# KiCad board sgb_mbc5_1-4.kicad_pcb (continued)
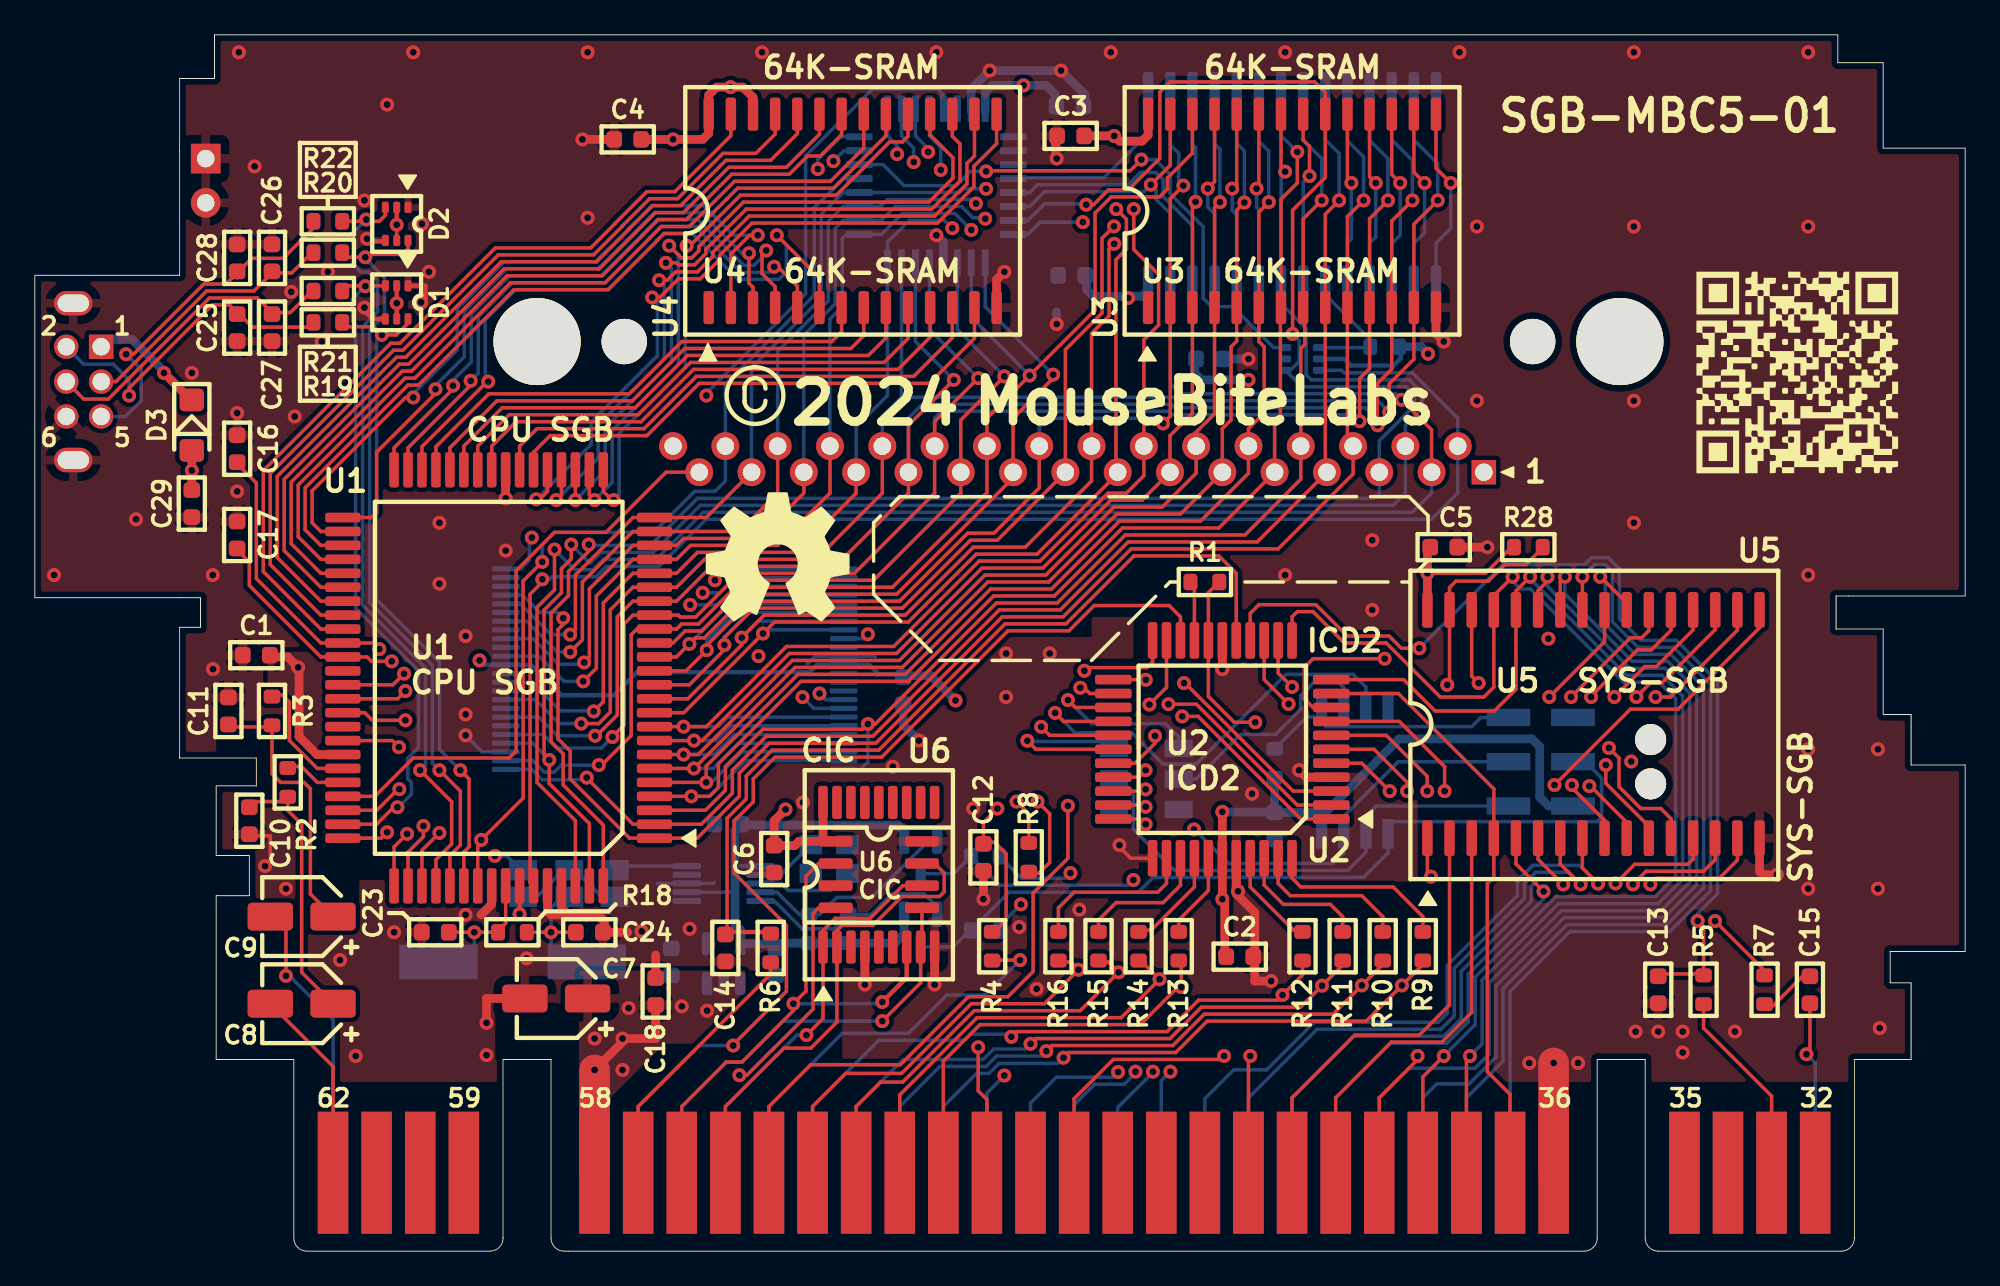
[diagram p0: board, top side]
## Nets (continued)
/GB domain/MA_{3}: U1.37 U4.7
/GB domain/MA_{4}: U1.38 U4.6
/GB domain/MA_{5}: U1.39 U4.5
/GB domain/MA_{6}: U1.40 U4.4
/GB domain/MA_{7}: U1.41 U4.3
/GB domain/MA_{8}: U1.48 U4.25
/GB domain/MA_{9}: U1.47 U4.24
/GB domain/MA_{10}: U1.44 U4.21
/GB domain/MA_{11}: U1.46 U4.23
/GB domain/MA_{12}: U1.42 U4.2
/GB domain/MD_{0}: U1.33 U4.11
/GB domain/MD_{1}: U1.31 U4.12
/GB domain/MD_{2}: U1.30 U4.13
/GB domain/MD_{3}: U1.29 U4.15
/GB domain/MD_{4}: U1.28 U4.16
/GB domain/MD_{5}: U1.27 U4.17
/GB domain/MD_{6}: U1.26 U4.18
/GB domain/MD_{7}: U1.25 U4.19
/GB domain/PHI: P1.2 U1.75 U10.6
/GB domain/~{MCS}: U1.43 U4.20
/GB domain/~{MRD}: U1.45 U4.22
/GB domain/~{MWR}: U1.49 U4.27
/GB.CLK: SJ1.2 U2.3
/GB.CP: U1.53 U2.31
/GB.CPL: U1.55 U2.29
/GB.LD0: C17.1 U1.51 U2.32
/GB.LD1: C16.1 U1.50 U2.33
/GB.P10: U1.67 U2.23
/GB.P11: U1.66 U2.24
/GB.P12: SW1.1 U1.65 U2.25
/GB.P13: U1.64 U2.26 U13.3
/GB.P14: D1.3 R21.1 U1.63 U2.27
/GB.P15: SW1.4 U1.62 U2.28
/GB.S: U1.57 U2.22
/GB.ST: U1.54 U2.30
/GB.~{RES}: P1.30 R8.2 U1.71 U8.13
/ICD2.MCK: R1.1 R7.2 U2.18
/ICD2.REFRESH: C13.1 R5.2 U2.15
/ICD2.SYSCK: C14.1 R6.2 U2.16
/ICD2.XO: R1.2 U2.19
/ICD2.~{GB_RES}: R8.1 U2.21
/ICD2.~{RD}: C12.1 R4.2 U2.2
/ICD.D_{0}: R9.2 U2.44
/ICD.D_{1}: R10.2 U2.43
/ICD.D_{2}: R11.2 U2.42
/ICD.D_{3}: R12.2 U2.41
/ICD.D_{4}: R13.2 U2.38
/ICD.D_{5}: R14.2 U2.37
/ICD.D_{6}: R15.2 U2.36
/ICD.D_{7}: R16.2 U2.35
/MCK_{AC}: C15.2 R7.1
/SNES domain//IRQ: CN2.18 U14.4
/SNES domain/CIC.~{RESET_OUT}: U6.10
/SNES domain/CIC_{0}: CN2.24 U6.1 U14.6
/SNES domain/CIC_{1}: CN2.55 U6.2 U14.7
/SNES domain/CIC_{2}: CN2.25 U6.8 U14.5
/SNES domain/CIC_{3}: CN2.56 U6.7 U14.2
/SNES domain/SNES.A_{0}: CN2.17 U2.5 U5.12
/SNES domain/SNES.A_{1}: CN2.16 U2.6 U5.11
/SNES domain/SNES.A_{2}: CN2.15 U2.7 U5.10
/SNES domain/SNES.A_{3}: CN2.14 U2.8 U5.9
/SNES domain/SNES.A_{4}: CN2.13 U5.8
/SNES domain/SNES.A_{5}: CN2.12 U5.7
/SNES domain/SNES.A_{6}: CN2.11 U5.6
/SNES domain/SNES.A_{7}: CN2.10 U5.5
/SNES domain/SNES.A_{8}: CN2.9 U5.27
/SNES domain/SNES.A_{9}: CN2.8 U5.26
/SNES domain/SNES.A_{10}: CN2.7 U5.23
/SNES domain/SNES.A_{11}: CN2.6 U2.9 U5.25
/SNES domain/SNES.A_{12}: CN2.37 U2.10 U5.4
/SNES domain/SNES.A_{13}: CN2.38 U2.11 U5.28
/SNES domain/SNES.A_{14}: CN2.39 U2.12 U5.29
/SNES domain/SNES.A_{15}: CN2.40 U2.13
/SNES domain/SNES.A_{16}: CN2.41 U5.3
/SNES domain/SNES.A_{17}: CN2.42 U5.2
/SNES domain/SNES.A_{18}: CN2.43 U5.30
/SNES domain/SNES.A_{22}: CN2.47 U2.14
/SNES domain/SNES.D_{0}: CN2.19 R9.1 U5.13
/SNES domain/SNES.D_{1}: CN2.20 R10.1 U5.14
/SNES domain/SNES.D_{2}: CN2.21 R11.1 U5.15
/SNES domain/SNES.D_{3}: CN2.22 R12.1 U5.17
/SNES domain/SNES.D_{4}: CN2.50 R13.1 U5.18
/SNES domain/SNES.D_{5}: CN2.51 R14.1 U5.19
/SNES domain/SNES.D_{6}: CN2.52 R15.1 U5.20
/SNES domain/SNES.D_{7}: CN2.53 R16.1 U5.21
/SNES domain/SNES.MCK: C15.1 CN2.1
/SNES domain/SNES.REFRESH: CN2.33 R5.1
/SNES domain/SNES.SYSCK: CN2.57 R6.1
/SNES domain/SNES.~{RD}: CN2.23 R4.1 U5.24
/SNES domain/SNES.~{ROMSEL}: CN2.49 U5.22
/SNES domain/SNES.~{WR}: CN2.54 U2.1
/SNES.~{RESET}: CN2.26 U2.20
/SO1: R2.2 U1.60
/SO2: R3.2 U1.59
Net-(D1A-K3A4): D1.6 R19.1 U1.70
Net-(D2A-K3A4): D2.6 R20.1 U1.69
Net-(D2B-K1A2): D2.3 R22.1 U1.68
Net-(D3-K): D3.1 P2.1
Net-(P2A-CLK): C28.1 P2.5 R22.2
Net-(P2A-IN): C26.1 P2.3 R20.2
Net-(P2A-OUT): C25.1 P2.2 R19.2
Net-(P2A-SD): C27.1 P2.4 R21.2
Net-(SJ2-B): C24.1 R18.2 SJ2.2 X1.2
Net-(U5-NC): R28.1 U5.1 U5.31

Pads without a net: CN2 2 3 4 28 29 30 32 34 35 44 45 46 48 59 60 61; SW1 3 6; U1 52 56; U3 1; U4 1; U6 3 5 6 11 12 13 14 15 16 17; U7 10 13 14 15 30 32 34 36 39 41 43; U8 22 25; U11 4; U12 6 9; U14 3; X2 2 4

## Via types
v1: diameter 0.8, hole 0.4, Top to Bottom, 359 vias

## Routing (per net, layer and track width the routed paths; a pad name or vN(x,y) marks a point on that pad's centre or on a via; arc(x,y) is an arc through that point)
+3.3V: length 32.6
  Bottom w0.2: U12.7 40.1,20.6 40.15,20.65 ; U12.1 40.15,22.1
  Bottom w0.5: 46.6,17.67 49.33,17.67 49.85,18.2 Q2.1 ; 46.8,17.67 R24.1 42.8,17.67 C32.1 42.24,17.64 U11.5 40.45,18.45 40.15,18.75 40.15,24.12 40.48,24.45 49.5,24.45 49.85,24.1 Q1.1
+5V: length 166.5
  Top w0.2: D2.5 v1(20.75,58.9) ; v1(79.86,38.9) 83.19,38.9 84.74,40.45 ; 68.1,17.04 68.24,16.9
  Top w0.25: v1(20.75,58.9) D2.2 ; D1.5 v1(20.75,54.4) D1.2
  Top w0.5: 68.1,17.04 68.24,17.17 68.24,20.06 v1(68.1,20.2) U2.39 v1(68.1,25.21) ; 41.19,65.25 41.19,66.22 40.6,66.8 39.1,66.8 38.64,66.34 U4.28 38.64,64.14 38.3,63.8 34.86,63.8 ; U14.1 45.92,23.5 ; U14.1 45.2,23.52 U6.18 ; U14.1 43.82,23.52 43.58,23.27 C6.1 42.4,24.7 v1(43.05,25.35) ; 9,43.56 D3.2 ; v1(32.1,10.4) 33.9,12.2 35.6,12.2 35.6,14.04 ; 13.56,34.1 14.5,34.1 v1(15.1,33.5) 15.15,33.45 15.15,29.53 16.18,28.5 U1.58 ; 60.26,64 v1(61.9,64) 62.2,63.7 63.5,63.7 63.85,64.04 U3.28 ; U5.32 79.86,40.32 79.94,40.4
  Top w1.75: CN2.27 v1(32.1,10.4)
  Bottom w0.2: v1(59.39,21.7) 59.09,21.4 56.58,21.4 R26.1 ; 48.2,34.1 48.15,34.15 U7.11 44.75,34.15 44.3,33.7 ; v1(56.55,19.9) 55.33,18.67 R25.1
  Bottom w0.25: 48.3,33.1 49.73,33.1 49.8,33.02 ; 48.3,33.1 48.25,33.1 ; 48.3,33.1 48.3,33.2 47.85,33.65 44.85,33.65 44.42,33.22 34.53,33.22 33.2,31.9 30.2,31.9 28.45,33.65 25.75,33.65 v1(25.5,33.9) ; 78.33,51.9 78.33,51.22 77.92,50.83 75.48,50.83 75.1,51.2 U10.5
  Bottom w0.5: v1(52.8,31.6) 51.38,33.02 49.8,33.02 ; C33.1 71.08,25.2 68.11,25.2 v1(68.1,25.21) ; C33.1 73.58,25.17 73.8,24.95 ; C33.1 R27.1 ; v1(79.9,51.5) 79.5,51.9 78.33,51.9 ; J1.2 86.8,25.55 86.3,26.05 86.3,28.95 85.85,29.4 78.24,29.4 73.8,24.95 ; 73.8,24.95 U13.8 ; 63.84,55.84 63.84,55.14 63.5,54.8 60.7,54.8 60.33,55.17 60.33,56 ; 66.5,51.2 66.5,50.4 66.9,50 v1(69.6,50) ; 58.5,65.7 58.5,66.4 58,66.9 54.9,66.9 54.5,66.5 54.5,65.4
  Bottom w1.75: CN2.27 v1(32.1,10.4)
  vias: v1(9,44.8) v1(32.1,12.2) v1(33.7,12.2) v1(33.7,10.4) v1(34.05,13.95) v1(36.6,63.8) v1(37.1,14.05) v1(38.55,13.8) v1(39.9,66.8) v1(41.5,34.15) v1(56.7,66.9) v1(62.7,54.7)
/GB domain/VIN: length 34.2
  Top w0.2: U1.61 19.5,26.1 21.7,28.3 27.2,28.3 27.6,28.7 27.6,39.05 29.8,41.25 32.75,41.25 36.2,44.7 P1.31
GND: length 93.1
  Top w0.2: v1(62.2,23.3) 62.2,23.2 62.85,22.55 U2.34 ; v1(13.2,22.1) 13.5,22.4 13.5,23.84 12.3,23.84
  Top w0.25: D2.4 20.05,57.95 19.4,57.95 19.25,58.1 ; D1.4 19.35,53.5 18.9,53.95 v1(18.9,54.15) ; v1(22.15,54.45) 22.4,54.7 22.4,55.4 D1.1
  Top w0.5: 30.6,19.3 30.2,19.7 U1.77 ; 30.6,19.3 32.3,19.3 32.66,18.94 32.66,18.3 34,18.3 ; 30.6,19.3 29.6,19.3 29.4,19.5 U1.76 ; C7.2 25.9,14.5 v1(25.9,13.1) ; v1(72.5,27.6) 72.9,27.2 U2.4 ; 35.6,15.76 35.6,17 ; v1(99.9,21.6) 99.1,21.6 98.91,21.79 U5.16 ; U1.72 26.2,19.92 25.58,19.3 ; U3.14 80.36,52.64 v1(80.8,52.2) ; v1(68.1,33.4) U2.17 ; U1.32 v1(27,43.2) ; v1(70.9,15.5) 69.96,15.5 69.96,19.44 68.9,20.5 U2.40 68.9,20.75 v1(69,20.65) ; U6.9 v1(51.6,15.3) ; 33.14,63.8 v1(31.4,63.8) ; 58.54,64 58.54,62.76 v1(58.6,62.7) ; 54.4,21.74 v1(54.4,20.2) ; v1(47.6,15.3) U6.4 ; 55.16,54.15 55.16,55.75 v1(55.6,56.2) ; 81.66,40.4 v1(83.3,40.4)
  Top w1.75: CN2.5 v1(87.1,10.8)
  Bottom w0.2: 38.95,21.15 38.9,21.1 U12.8 35.7,21.1 ; U7.27 25.65,28.65 v1(24.7,29.6)
  Bottom w0.5: 53.7,65.4 53.7,66.69 v1(54.76,67.75) v1(58.85,67.75) 60.23,66.38 60.23,65.7 ; 52.1,56.9 52.1,57.9 v1(51.7,58.3) ; 58.6,53.9 v1(58.6,53.2) ; v1(50.7,29.3) 49.8,30.2 49.8,31.3 ; v1(69.6,51.2) 68.23,51.2
  Bottom w1.75: CN2.5 v1(87.1,10.8)
  vias: v1(1.1,38.8) v1(5.8,42) v1(9,50.4) v1(10.2,38.8) v1(10.22,33.4) v1(11.6,48.1) v1(11.6,43.6) v1(11.7,68.8) v1(12.6,62.25) v1(14.4,20.8) v1(14.7,55.05) v1(14.9,47.9) v1(16.45,52.2) v1(16.8,56.2) v1(17.5,16.7) v1(18.4,11.2) v1(18.9,60.3) v1(19.05,58.1) v1(20.2,65.8) v1(20.6,18.3) v1(21.7,68.8) v1(22.2,58.95) v1(22.6,56.2) v1(23.2,41.8) v1(23.2,38.3) v1(24.7,35.3) v1(24.7,30.8) v1(24.7,19.3) v1(25.9,11.25) v1(27,40.2) v1(28.2,16.8) v1(31.7,68.8) v1(31.7,59.3) v1(34.8,18.35) v1(37.55,18.5) v1(41.7,68.8) v1(44.05,25.75) v1(49.2,27.8) v1(51.7,68.8) v1(53.81,25.4) v1(55.7,34.3) v1(55.7,31.8) v1(56.45,18.6) v1(57.45,15.05) v1(58.2,34.3) v1(59.9,19.6) v1(61.7,68.8) v1(69.8,26.25) v1(71.7,68.8) v1(71.7,38.8) v1(76.7,40.8) v1(76.7,36.8) v1(81.7,68.8) v1(82.7,58.8) v1(82.7,48.8) v1(85.7,10.8) v1(86.8,35.15) v1(88.5,10.8) v1(91.55,28.1) v1(91.7,68.8) v1(91.7,58.8) v1(91.7,48.8) v1(91.7,41.8) v1(91.8,12.6) v1(93.1,12.6) v1(94.5,12.6) v1(94.5,11.4) v1(97.5,12.6) v1(101.7,68.8) v1(101.7,58.8) v1(101.7,38.8) v1(101.7,28.8) v1(101.7,20.8) v1(105.7,28.8) v1(105.7,20.8) v1(105.8,12.8)
/AUDIO_FILT_{L}: length 15.8
  Top w0.2: 13.73,29.96 13.6,30.09 ; 13.6,30.09 13.6,27.4 14.1,26.9 15.43,26.9 15.8,26.53 15.8,20.5 C9.1 ; 13.6,30.09 11.15,30.09 11.1,30.14
/AUDIO_FILT_{R}: length 15.8
  Top w0.2: 14.5,25.99 14.31,25.8 12.54,25.8 12.3,25.56 12.5,25.76 ; 14.5,25.99 14.69,25.8 ; 14.5,25.99 14.5,25.3 15.3,24.5 15.3,16 C8.1
/AUDIO_{L}: length 16.8
  Top w0.2: C9.2 14.4,19.2 v1(14.4,15.8)
  Bottom w0.2: CN2.31 17.1,13.3 14.6,15.8 v1(14.4,15.8)
/AUDIO_{R}: length 11.2
  Top w0.2: CN2.62 17.1,10.6 C8.2
/GB domain/CLK_IN: length 9.1
  Top w0.2: v1(27.8,19.35) 27.8,19.35 U1.74
  Bottom w0.2: 33.2,20.45 32.4,20.45 31.1,21.75 30.2,21.75 28.9,20.45 28,20.45 27.8,20.25 v1(27.8,19.35)
/GB domain/CLK_OUT: length 9.3
  Top w0.2: 23.83,18.3 v1(25.2,18.3) 26.48,18.3 27,18.83 U1.73
  Bottom w0.2: X1.1 24.8,16.6 25.2,17 v1(25.2,18.3) ; 23.15,16.5 23.4,16.5
/GB domain/Clock Selection/PB0: length 47.5
  Bottom w0.2: Q2.3 52.66,17.46 53.6,18.4 R25.2 55.88,20.6 63.29,20.6 64.14,21.45 76.2,21.45 77.61,22.86 U13.5 77.61,24.65 89.6,24.65 89.85,24.9 89.85,27.15 88.91,28.09 J1.4
/GB domain/Clock Selection/PB1: length 28.8
  Bottom w0.2: J1.1 76.92,25.55 76.35,24.97 76.35,24.5 76.33,24.48 U13.6 76.33,22.88 75.3,21.85 65.36,21.85 63,24.21 63,26.3 62.2,27.1 SW1.5
/GB domain/Clock Selection/PB2: length 40.6
  In2.Cu w0.2: v1(66.48,24.2) 63.58,21.3 v1(63,21.3)
  Bottom w0.2: v1(66.48,24.2) 66.5,24.2 68.45,22.25 74.45,22.25 75.07,22.86 U13.7 75.07,24.97 78.19,28.09 J1.3 ; 53.67,22.62 R26.2 ; R26.2 55.33,21 62.7,21 v1(63,21.3) ; R26.2 52.69,21.66 Q1.3
/GB domain/Clock Selection/PB3: length 13.3
  Bottom w0.2: 65.75,27.1 66.6,27.1 69.15,29.65 71.15,29.65 72.6,31.1 72.6,31.89 73.36,32.65 74.75,32.65 75.07,32.33 U13.2
/GB domain/Clock Selection/RST: length 16
  Bottom w0.2: R27.2 72.92,30.65 73.8,30.65 U13.1 73.8,30.36 74.05,30.1 82.4,30.1 82.93,30.63 J1.5
/GB domain/Clock Selection/SCL_3V: length 12.4
  Bottom w0.2: U12.4 42.56,20.6 43.84,19.33 R24.2 45.02,19.33 46,20.3 48,20.3 51.24,23.54 Q1.2
/GB domain/Clock Selection/SDA_3V: length 12.4
  Bottom w0.2: U12.5 42.4,20.1 44,18.5 45.83,18.5 R23.2 47.98,19.33 49.15,20.5 51,20.5 51.75,19.75 Q2.2
/GB domain/Clock Selection/SI_CLK: length 4.3
  Bottom w0.2: 33.2,21.75 33.55,22.1 U12.10
/GB domain/Clock Selection/XA: length 3.7
  Bottom w0.2: U12.2 42.77,21.6 X2.3 44.55,23.33 ; 44.55,23.62 44.55,23.6
/GB domain/Clock Selection/XB: length 5.6
  Bottom w0.2: U12.3 42.8,21.1 43.2,20.7 45.63,20.7 X2.1 46.65,21.62
/GB domain/GB Cart/GB.AA_{13}: length 15.1
  Bottom w0.2: 66.39,56.5 66.39,58.84 64.7,60.53 64.7,61.5 64.3,61.9 63.4,61.9 62.7,61.2 57.5,61.2 57.05,60.75 55.95,60.75
/GB domain/GB Cart/GB.AA_{14}: length 11.5
  Bottom w0.2: 63.84,66.63 63.84,64.14 61.3,61.6 56,61.6 55.95,61.55
/GB domain/GB Cart/GB.RA_{14}: length 45.8
  In2.Cu w0.2: v1(45.8,62.55) 45.5,62.85 44.5,62.85 43.75,62.1 41.68,62.1 38.48,58.9 38.48,52.51 33.5,47.53 33.5,44.64 37.6,40.54 37.6,37.11 v1(37.58,37.09)
  Bottom w0.2: 47.45,63.15 46.4,63.15 v1(45.8,62.55) ; v1(37.58,37.09) 37.59,37.08 39.14,37.08 40.21,38.15 U7.3
/GB domain/GB Cart/GB.RA_{15}: length 44.3
  In2.Cu w0.2: v1(44.9,62.1) 44.5,61.7 41.84,61.7 38.88,58.73 38.88,52.35 33.9,47.37 33.9,44.8 38.3,40.4 v1(38.3,37.78)
  Bottom w0.2: v1(44.9,62.1) 44.9,62.65 46.2,63.95 47.45,63.95 ; U7.2 40.14,38.65 39.27,37.78 v1(38.3,37.78)
/GB domain/GB Cart/GB.RA_{16}: length 46.7
  In2.Cu w0.2: v1(39,38.5) 39,40.27 34.3,44.97 34.3,47.2 39.28,52.18 39.28,58.57 42.01,61.3 43.53,61.3 43.84,61 47.66,61 49.45,62.78 v1(49.45,62.96)
  Bottom w0.2: v1(39,38.5) 39.65,39.15 U7.1 ; 48.9,65.4 48.9,64 49.45,63.45 v1(49.45,62.96)
/GB domain/GB Cart/GB.RA_{17}: length 45.9
  In2.Cu w0.2: v1(28.5,40.95) 28.85,40.95 30.3,42.4 33.49,42.4 33.9,42.81 33.9,43.67 33.1,44.47 33.1,47.7 38.08,52.68 38.08,59.07 41.51,62.5 43.58,62.5 44.33,63.25 48.75,63.25 49.16,63.66 49.74,63.66 50.4,63 v1(50.4,62.5)
  Bottom w0.2: 49.7,65.4 49.7,64 50.4,63.3 v1(50.4,62.5) ; v1(28.5,40.95) 28.35,40.8 28.35,39.65 27.85,39.15 U7.48
/GB domain/GB Cart/GB.RA_{18}: length 52.5
  In2.Cu w0.2: v1(51.23,63.08) 51.23,62.13 50.87,61.77 49,61.77 47.83,60.6 43.67,60.6 43.37,60.9 42.18,60.9 39.68,58.4 39.68,52.02 34.7,47.04 34.7,45.13 44.58,35.26 44.58,32.56 44.02,32.01 v1(44.02,31.79)
  Bottom w0.2: v1(44.02,31.79) 44.67,31.15 U7.17 ; v1(51.23,63.08) 51.23,63.27 50.5,64 50.5,65.4
/GB domain/GB Cart/GB.RA_{19}: length 51.3
  In2.Cu w0.2: v1(45,32) 44.98,32.02 44.98,35.43 41.34,39.06 35.1,45.3 35.1,46.87 40.08,51.85 40.08,58.24 42.34,60.5 43.2,60.5 43.5,60.2 48,60.2 49.17,61.37 51.27,61.37 v1(51.95,62.05)
  Bottom w0.2: v1(51.95,62.05) 51.95,63.35 51.3,64 51.3,65.4 ; U7.16 45.35,31.65 v1(45,32)
/GB domain/GB Cart/GB.RA_{20}: length 49.9
  In2.Cu w0.2: v1(47.77,35.4) 45.57,35.4 35.5,45.47 35.5,46.71 37.89,49.1 v1(38.51,49.1)
  Bottom w0.2: v1(47.77,35.4) 47.52,35.15 U7.9 ; 52.1,65.4 52.1,66.35 51.75,66.7 48.05,66.7 44.2,62.85 44.2,54.93 38.51,49.24 v1(38.51,49.1)
/GB domain/GB Cart/~{CS}_{MBC}: length 32.9
  Top w0.2: v1(54.55,61.97) 54.59,62 62.82,62 v1(63.46,62.64)
  Bottom w0.2: v1(63.46,62.64) 64.26,62.64 65.1,61.8 65.1,60.69 67,58.79 67,54.69 67.49,54.2 68.7,54.2 71.05,51.85 U10.3 ; 47.45,62.35 48.65,62.35 49.85,61.15 52.85,61.15 53.67,61.97 v1(54.55,61.97)
/GB domain/GB Cart/~{CS}_{RAM}: length 8.9
  Bottom w0.2: U10.4 76.25,51.85 76.5,51.6 76.5,52.4 74.01,54.89 74.01,56.5
/GB domain/GB.A_{0}: length 92.2
  Top w0.2: v1(30.3,36.33) 30.3,35.97 30,35.67 30,29.4 30.7,28.7 30.7,27.1 34.1,23.7 U1.1 37.99,23.7 40.4,26.11 40.4,27.43 42.12,29.15 48.23,29.15 55.48,36.4 58.97,36.4 62.87,40.3 71.3,40.3 75.6,44.6 P1.6 75.27,46.52 U3.10 75.27,59.38 v1(76.2,60.3)
  Bottom w0.2: v1(76.2,60.3) 76.2,62.8 75.27,63.73 75.27,66.63 ; U7.45 27.97,37.65 28.96,36.66 29.97,36.66 v1(30.3,36.33)
/GB domain/GB.A_{1}: length 80.3
  Top w0.2: v1(74.8,60.3) 74.01,59.5 U3.9 74.01,44.8 P1.7 70.1,40.7 62.7,40.7 58.8,36.8 55.31,36.8 48.06,29.55 41.95,29.55 40,27.6 40,26.28 38.22,24.5 U1.2 34.3,24.5 31.65,27.15 v1(31.65,27.18)
  Bottom w0.2: U7.25 28.48,27.65 29.08,27.05 31.53,27.05 v1(31.65,27.18) ; 74,66.63 74,63.8 74.8,63 v1(74.8,60.3)
/GB domain/GB.A_{2}: length 72.8
  Top w0.2: U1.3 38.46,25.3 39.6,26.44 39.6,27.8 41.75,29.95 47.47,29.95 v1(47.77,30.25) 48.2,30.25 55.15,37.2 58.64,37.2 62.54,41.1 69.4,41.1 72.6,44.3 P1.8 72.6,51.8 72.83,52.03 72.83,54.05 U3.8 72.73,59.23 v1(73.8,60.3)
  Bottom w0.2: U7.24 47.35,27.65 47.77,28.07 v1(47.77,30.25) ; v1(73.8,60.3) 73.8,62.7 72.73,63.77 72.73,66.63
/GB domain/GB.A_{3}: length 76.5
  Top w0.2: v1(72.4,63.08) 72.4,61.3 71.46,60.36 71.46,54.15 71.43,54.12 71.43,47.93 71.1,47.6 P1.9 67.9,41.5 62.37,41.5 58.47,37.6 54.98,37.6 50.08,32.7 43.93,32.7 39.2,27.97 39.2,26.61 38.69,26.1 U1.4
  Bottom w0.2: U7.23 40.74,28.15 38.69,26.1 v1(37.65,26.1) ; v1(72.4,63.08) 71.46,64.02 71.46,66.63
/GB domain/GB.A_{4}: length 73.5
  Top w0.2: U1.5 v1(38.5,26.9) 38.5,27.83 43.77,33.1 49.92,33.1 54.82,38 58.31,38 62.21,41.9 66.86,41.9 69.6,44.64 P1.10 69.6,47.2 70.5,48.1 70.5,51.9 70.2,52.2 U3.6 70.2,59.63 v1(70.77,60.2)
  Bottom w0.2: v1(38.5,26.9) 38.8,26.9 40.55,28.65 46.4,28.65 ; 70.19,66.63 70.19,63.71 70.77,63.13 v1(70.77,60.2)
/GB domain/GB.A_{5}: length 71.4
  Top w0.2: v1(69.36,60.18) 68.92,59.74 U3.5 68.92,52.22 68.6,51.9 68.6,47.7 68.1,47.2 P1.11 65.7,42.3 62.04,42.3 58.14,38.4 54.65,38.4 49.75,33.5 43.6,33.5 v1(37.8,27.7) U1.6
  Bottom w0.2: 68.92,66.63 68.92,63.58 69.36,63.13 v1(69.36,60.18) ; 46.4,29.15 40.35,29.15 38.9,27.7 v1(37.8,27.7)
/GB domain/GB.A_{6}: length 70.1
  Top w0.2: U1.7 v1(37.2,28.5) 38.03,28.5 43.43,33.9 49.58,33.9 54.48,38.8 57.97,38.8 61.87,42.7 64.66,42.7 66.6,44.64 P1.12 66.6,47 67.66,48.05 U3.4 67.66,59.89 v1(67.96,60.2)
  Bottom w0.2: v1(37.2,28.5) 38.97,28.5 40.12,29.65 46.4,29.65 ; v1(67.96,60.2) 67.96,63.23 67.65,63.55 67.65,66.63
/GB domain/GB.A_{7}: length 67.5
  Top w0.2: U1.8 37.8,29.3 v1(37.8,29.3) 38.27,29.3 43.27,34.3 49.42,34.3 54.32,39.2 57.81,39.2 61.71,43.1 63.5,43.1 P1.13 65.1,46.8 66.39,48.08 U3.3 66.39,60.04 v1(66.57,60.22)
  Bottom w0.2: 66.38,66.63 66.38,63.52 66.57,63.33 v1(66.57,60.22) ; 46.4,30.15 39.9,30.15 39.05,29.3 v1(37.8,29.3)
/GB domain/GB.A_{8}: length 74.4
  Top w0.2: U3.25 67.66,61.37 v1(67.27,60.98) ; v1(63.02,59.8) 63.02,57.48 64.45,56.05 64.45,53.14 63.6,52.3 P1.14 63.6,44.5 62.6,43.5 61.54,43.5 57.64,39.6 54.15,39.6 49.25,34.7 43.1,34.7 38.5,30.1 v1(37.2,30.1) U1.9
  In2.Cu w0.2: v1(63.02,59.8) 63.32,59.5 66.85,59.5 67.27,59.91 v1(67.27,60.98)
  Bottom w0.2: 46.4,30.65 39.74,30.65 39.19,30.1 v1(37.2,30.1) ; v1(67.27,60.98) 67.27,59.91 67.66,59.52 67.66,56.5
/GB domain/GB.A_{9}: length 70
  Top w0.2: U1.10 37.21,30.9 v1(41.76,35.44) 42.41,36.1 50.09,36.1 53.99,40 57.48,40 62.1,44.62 P1.15 62,44.8 62,56.9 62.6,57.5 62.6,59.22 v1(62.02,59.8) ; v1(68.67,60.97) 68.92,61.23 U3.24
  In2.Cu w0.2: v1(68.67,60.97) 68.67,59.91 67.85,59.1 62.59,59.1 62.02,59.67 v1(62.02,59.8)
  Bottom w0.2: 68.93,56.5 68.93,59.47 68.67,59.73 v1(68.67,60.97) ; v1(41.76,35.44) 41.96,35.65 U7.8
/GB domain/GB.A_{10}: length 72.8
  Top w0.2: v1(73.1,61.7) 73.1,63.4 72.73,63.77 U3.21 ; U1.11 37.45,31.7 40.54,34.79 v1(40.54,35.21) 41.82,36.5 49.92,36.5 53.82,40.4 56.8,40.4 60.6,44.2 P1.16 60.6,52.67 61.6,53.67 61.6,57.51 v1(61.9,57.81)
  In2.Cu w0.2: v1(61.9,57.81) 61.9,57.83 62.37,58.3 69.85,58.3 73.1,61.55 v1(73.1,61.7)
  Bottom w0.2: 72.74,56.5 72.74,61.34 v1(73.1,61.7) ; v1(40.54,35.21) 41.47,36.15 U7.7
/GB domain/GB.A_{11}: length 70.8
  Top w0.2: v1(61.89,58.81) 61.2,58.12 61.2,53.83 59.1,51.73 P1.17 55.2,40.8 53.66,40.8 49.76,36.9 41.23,36.9 39.55,35.21 v1(39.55,34.79) 39.55,34.51 37.53,32.5 U1.12 ; v1(70.07,60.97) 70.2,61.1 U3.23
  In2.Cu w0.2: v1(61.89,58.81) 62,58.7 68.88,58.7 70.07,59.89 v1(70.07,60.97)
  Bottom w0.2: 70.2,56.5 70.2,59.78 70.07,59.91 v1(70.07,60.97) ; U7.6 40.95,36.65 39.55,35.25 v1(39.55,34.79)
/GB domain/GB.A_{12}: length 77.8
  Top w0.2: v1(65.86,61.15) 65.11,60.4 U3.2 65.11,47.91 v1(64.7,47.5) ; P1.18 57.6,43.8 55,41.2 53.49,41.2 49.59,37.3 41.07,37.3 38.56,34.79 38.53,34.79 v1(38.53,34.49) 37.34,33.3 U1.13
  In2.Cu w0.2: v1(60.1,59.05) 60.28,59.05 61.73,60.5 65.1,60.5 65.75,61.15 v1(65.86,61.15)
  Bottom w0.2: 55.95,58.35 56.95,58.35 57.65,59.05 v1(60.1,59.05) ; v1(38.53,34.49) 38.53,35.03 40.65,37.15 U7.5 ; v1(65.86,61.15) 65.6,61.41 65.6,63 65.11,63.49 65.11,66.63 ; v1(64.7,47.5) 64.4,47.8 58.1,47.8 57.6,47.3 P1.18
/GB domain/GB.A_{13}: length 49.9
  Top w0.2: v1(58.4,50.3) 58.4,50.1 56.1,47.8 P1.19 56.1,44.38 49.42,37.7 40.9,37.7 38.39,35.19 37.88,35.19 v1(37.54,34.85) 36.79,34.1 U1.14
  Bottom w0.2: v1(58.4,50.3) 54.5,54.2 54.5,56.9 ; U7.4 40.34,37.65 v1(37.54,34.85)
/GB domain/GB.A_{14}: length 58.9
  Top w0.2: U1.15 36.6,34.9 37.29,35.59 38.23,35.59 40.74,38.1 49.18,38.1 54.6,43.52 P1.20 54.6,47.8 v1(57.05,50.25) 60.8,54 60.8,59.57 61.73,60.5 64.5,60.5 64.95,60.95 64.95,61.58 66.39,63.02 U3.26
  Bottom w0.2: v1(57.05,50.25) 53.7,53.6 53.7,56.9
/GB domain/GB.A_{15}: length 51.9
  Top w0.2: v1(55.6,50.2) 53.1,47.7 P1.21 53.1,43.5 48.1,38.5 40.57,38.5 38.06,35.99 37.09,35.99 36.8,35.7 U1.16 34.53,35.7 34.2,35.37 34.2,29.59 32.51,27.9 v1(32.34,27.9)
  Bottom w0.2: v1(32.34,27.9) 30.2,27.9 29.79,27.49 29.21,27.49 28.55,28.15 U7.26 ; 52.9,56.9 52.9,52.9 v1(55.6,50.2)
/GB domain/GB.D_{0}: length 96.6
  Top w0.2: v1(54.1,50.1) 51.6,47.6 P1.22 51.6,43.5 47,38.9 40.41,38.9 37.9,36.39 37.01,36.39 36.9,36.5 U1.17 34.3,36.5 33.8,36 33.8,30.2 33.13,29.53 v1(33.13,29.51) ; v1(77.6,60.3) 76.55,59.24 U3.11 76.55,50.64 75.98,50.08 v1(75.98,47.63)
  Bottom w0.2: 76.54,66.63 76.54,63.76 77.6,62.7 v1(77.6,60.3) ; v1(54.1,50.1) 51.3,52.9 51.3,56.9 ; U7.29 29.15,29.65 29.92,28.88 32.5,28.88 v1(33.13,29.51) ; v1(75.98,47.63) 75.6,48 65.2,48 65,48.2 52,48.2 51.6,47.8 P1.22
/GB domain/GB.D_{1}: length 99.6
  Top w0.2: v1(32.13,29.58) 32.21,29.58 33.4,30.77 33.4,36.4 34.3,37.3 U1.18 36.8,37.3 38.8,39.3 45.9,39.3 50.1,43.5 P1.23 50.1,47.4 v1(52.7,50) ; v1(79,60.3) 77.82,59.11 U3.12 77.82,50.61 76.98,49.78 76.98,47.42 v1(77.01,47.39)
  Bottom w0.2: P1.23 50.1,47.8 50.9,48.6 65.17,48.6 65.37,48.4 76.3,48.4 77.01,47.69 v1(77.01,47.39) ; v1(32.13,29.58) 29.97,29.58 28.9,30.65 U7.31 ; 77.81,66.63 77.81,63.79 79,62.6 v1(79,60.3) ; 50.5,56.9 50.5,52.2 v1(52.7,50)
/GB domain/GB.D_{2}: length 93.5
  Top w0.2: v1(77.68,48.14) 77.68,49.78 79.08,51.19 79.08,58.93 v1(80.46,60.3) ; v1(31.34,30.28) 31.34,30.27 32.34,30.27 33,30.94 33,36.8 34.3,38.1 U1.19 36.8,38.1 38.4,39.7 44.8,39.7 48.6,43.5 P1.24
  Bottom w0.2: 49.7,49.1 49.8,49 65.33,49 65.53,48.8 77.02,48.8 v1(77.68,48.14) ; 49.7,49.1 49.7,56.9 ; 49.7,49.1 49.7,49 48.6,47.9 P1.24 ; v1(31.34,30.28) 30.07,30.28 28.7,31.65 27.03,31.65 ; v1(80.46,60.3) 80.46,62.39 79.08,63.77 79.08,66.63
/GB domain/GB.D_{3}: length 91.3
  Top w0.2: v1(32.05,30.97) 32.6,31.52 32.6,37.2 34.3,38.9 U1.20 36.8,38.9 38,40.1 43.7,40.1 47.1,43.5 P1.25 ; v1(81.2,61.3) 80.36,62.14 U3.15
  In2.Cu w0.2: v1(52.61,58.71) 53.42,57.9 57.84,57.9 60.23,55.51 62.87,55.51 63.66,56.3 77.44,56.3 81.2,60.06 v1(81.2,61.3)
  Bottom w0.2: P1.25 47.1,47.3 48.9,49.1 48.9,57.9 50.15,59.15 52.17,59.15 v1(52.61,58.71) ; v1(81.2,61.3) 81.2,58.7 80.36,57.86 80.36,56.5 ; U7.35 28.5,32.65 30.15,31 32.03,31 v1(32.05,30.97)
/GB domain/GB.D_{4}: length 88.7
  Top w0.2: v1(79.7,61.3) 79.08,61.91 79.08,65.25 ; P1.26 45.6,43.5 42.6,40.5 37.6,40.5 36.8,39.7 U1.21 34.3,39.7 32.2,37.6 32.2,33.45 v1(31.45,32.7)
  In2.Cu w0.2: v1(79.7,61.3) 79.7,60.01 76.39,56.7 63.5,56.7 62.71,55.91 60.4,55.91 58.01,58.3 54.01,58.3 v1(53.7,58.61)
  Bottom w0.2: 27.03,34.15 28.9,34.15 30.35,32.7 v1(31.45,32.7) ; v1(79.7,61.3) 79.7,58.45 79.09,57.84 79.09,56.5 ; v1(53.7,58.61) 52.76,59.55 49.75,59.55 48.55,58.35 46.55,58.35 46.3,58.1 46.3,54.2 45.6,53.5 P1.26
/GB domain/GB.D_{5}: length 86.4
  Top w0.2: P1.27 44.1,43.5 41.5,40.9 37.2,40.9 36.8,40.5 U1.22 34.3,40.5 31.8,38 31.8,34.08 v1(31.5,33.78) ; U3.17 77.82,61.78 v1(78.3,61.3)
  In2.Cu w0.2: v1(54.5,59.25) 55.05,58.7 58.17,58.7 60.57,56.31 62.54,56.31 63.33,57.1 75.39,57.1 78.3,60.01 v1(78.3,61.3)
  Bottom w0.2: v1(78.3,61.3) 78.3,58.3 77.82,57.82 77.82,56.5 ; U7.40 28.57,35.15 30.03,33.68 31.4,33.68 v1(31.5,33.78) ; v1(54.5,59.25) 54.44,59.31 53.8,59.31 53.15,59.95 49.34,59.95 48.54,59.15 46.35,59.15 45.9,58.7 45.9,54.37 44.1,52.57 P1.27
/GB domain/GB.D_{6}: length 84.8
  Top w0.2: v1(76.9,61.3) 76.55,61.65 U3.18 ; v1(30.7,34.38) 31.4,35.08 31.4,38.4 34.3,41.3 U1.23 40.4,41.3 42.6,43.5 P1.28
  In2.Cu w0.2: 62.37,56.71 63.17,57.5 74.39,57.5 76.9,60.01 v1(76.9,61.3) ; 62.37,56.71 62.04,56.71 ; 62.37,56.71 62.2,56.71 ; 62.04,56.71 61.7,56.71 ; 62.04,56.71 62.2,56.71 ; v1(53.97,60.12) 54.81,60.12 55.83,59.1 58.34,59.1 60.73,56.71 61.7,56.71 ; 61.7,56.71 62.2,56.71
  Bottom w0.2: v1(76.9,61.3) 76.9,58.2 76.55,57.85 76.55,56.5 ; v1(30.7,34.38) 29.96,34.38 28.19,36.15 U7.42 ; P1.28 42.6,51.63 45.5,54.53 45.5,59.1 46.35,59.95 48.5,59.95 48.9,60.35 53.74,60.35 v1(53.97,60.12)
/GB domain/GB.D_{7}: length 81
  Top w0.2: P1.29 38.5,42.1 U1.24 34.3,42.1 31,38.8 31,35.68 v1(30.7,35.38) ; U3.19 75.27,61.52 v1(75.5,61.3)
  In2.Cu w0.2: v1(75.5,61.3) 75.5,60.01 73.39,57.9 63,57.9 62.21,57.11 60.9,57.11 58.51,59.5 56.02,59.5 v1(54.55,60.97)
  Bottom w0.2: v1(30.7,35.38) 29.6,35.38 27.83,37.15 U7.44 ; 75.28,56.5 75.28,57.88 75.5,58.1 v1(75.5,61.3) ; P1.29 41.1,50.7 45.1,54.7 45.1,59.5 46.35,60.75 53.03,60.75 53.25,60.97 v1(54.55,60.97)
/GB domain/GB.~{CS}: length 123.7
  Top w0.2: v1(60.29,60.05) 60.71,60.05 61.56,60.9 62.71,60.9 64.52,62.71 64.52,66.52 65.1,67.1 73.4,67.1 74.01,66.5 U3.20 74.01,61.62 72.3,59.91 72.3,59.9 72.13,59.73 v1(72.13,52.64) ; U1.80 32.6,24.45 30.3,26.75 30.3,28.54 29.6,29.24 29.6,36.62 30.6,37.62 30.6,39 31.76,40.16 v1(31.76,40.55)
  Bottom w0.2: v1(72.13,52.64) 72.5,52.27 72.5,51.04 72.01,50.55 ; v1(60.29,60.05) 60.24,60.1 57.9,60.1 56.95,59.15 55.95,59.15 ; v1(31.76,40.55) 31.81,40.5 35.3,40.5 38,43.2 76.8,43.2 77.1,43.5 P1.5 77.1,46.5 79.1,48.5 79.1,49.17 78.67,49.6 72.67,49.6 U10.1
/GB domain/GB.~{RD}: length 103.1
  Top w0.2: v1(30.76,40.55) 30.76,39.73 30.2,39.17 30.2,37.78 29.2,36.79 29.2,28.49 v1(29.5,28.19) 29.5,26.83 31.8,24.53 U1.79 ; v1(71.7,61.95) 71.46,62.19 71.46,65.25
  Bottom w0.2: v1(30.76,40.55) 31.81,39.5 31.84,39.5 32.44,40.1 35.47,40.1 38.17,42.8 77.9,42.8 78.6,43.5 P1.4 78.6,47.41 79.55,48.36 79.55,49.28 78.83,50 73.2,50 72.9,50.3 72.9,52.95 71.47,54.38 71.47,61.72 v1(71.7,61.95) ; v1(29.5,28.19) 29.5,28.2 28.55,29.15 U7.28
/GB domain/GB.~{WR}: length 117.9
  Top w0.2: v1(78.38,48.86) 80.1,47.13 P1.3 ; v1(64,61.2) 65.11,62.31 U3.27 ; U1.78 31,24.7 28.8,26.9 28.8,36.95 29.8,37.95 29.8,40.26 v1(29.8,40.26)
  Bottom w0.2: P1.3 80.1,43.5 79,42.4 38.33,42.4 35.63,39.7 32.61,39.7 32.01,39.1 30.97,39.1 v1(29.8,40.26) ; 55.95,59.95 57.05,59.95 57.9,60.8 63.6,60.8 v1(64,61.2) 64.3,60.9 64.3,60.36 65.12,59.54 65.12,49.78 65.7,49.2 78.03,49.2 v1(78.38,48.86)
/GB domain/MA_{0}: length 30.4
  Top w0.2: U4.10 50.08,52.38 48.7,51 37.6,51 34.6,48 27.2,48 25.4,46.2 U1.34
/GB domain/MA_{1}: length 29.9
  Top w0.2: U4.9 48.8,52.41 47.8,51.4 37.43,51.4 34.43,48.4 26.8,48.4 24.6,46.2 U1.35
/GB domain/MA_{2}: length 29.3
  Top w0.2: 47.54,54.15 47.54,52.53 46.8,51.8 37.27,51.8 34.27,48.8 26.5,48.8 23.8,46.1 U1.36
/GB domain/MA_{3}: length 28.7
  Top w0.2: U1.37 23,46.17 26.03,49.2 34.1,49.2 34.3,49.4 34.3,49.4 37.1,52.2 45.7,52.2 46.27,52.77 U4.7
/GB domain/MA_{4}: length 38.4
  Top w0.2: U4.6 44.99,55.85 v1(42.55,58.3) ; v1(26,49.9) 25.93,49.9 22.2,46.17 U1.38
  Bottom w0.2: v1(26,49.9) 25.83,50.08 25.83,53.43 27.57,55.17 32.88,55.17 35.68,57.98 35.68,57.99 36.09,58.4 37.7,58.4 40.33,55.77 42.67,55.77 43.1,56.2 43.1,57.75 v1(42.55,58.3)
/GB domain/MA_{5}: length 33.8
  Top w0.2: v1(24.99,49.95) 24.99,49.69 21.4,46.1 U1.39 ; U4.5 43.73,55.38 42.61,56.49 v1(42.4,56.49)
  Bottom w0.2: v1(24.99,49.95) 25.42,50.38 25.42,53.6 27.4,55.57 32.7,55.57 35.92,58.8 37.87,58.8 40.5,56.17 42.08,56.17 v1(42.4,56.49)
/GB domain/MA_{6}: length 35.2
  Top w0.2: v1(41.94,57.42) 41.7,57.18 41.7,56.1 42.45,55.34 U4.4 ; v1(23.98,49.67) 23.98,49.48 20.6,46.1 U1.40
  Bottom w0.2: v1(23.98,49.67) 23.98,49.98 25.03,51.02 25.03,53.76 27.24,55.97 32.48,55.97 35.7,59.2 38.03,59.2 40.66,56.57 41.24,56.57 41.94,57.27 v1(41.94,57.42)
/GB domain/MA_{7}: length 38.5
  Top w0.2: 41.19,54.15 41.19,55.31 40.95,55.55 v1(40.95,57.27) ; v1(22.97,49.46) 22.97,49.22 19.6,45.85 19.6,42.4 19.3,42.1 U1.41
  Bottom w0.2: v1(22.97,49.46) 22.97,49.67 24.62,51.33 24.62,53.93 27.07,56.38 32.31,56.38 35.53,59.6 38.2,59.6 40.53,57.27 v1(40.95,57.27)
/GB domain/MA_{8}: length 48.8
  Top w0.2: U1.48 16.4,36.5 13.5,39.4 13.5,44.63 20.57,51.7 21.1,51.7 26.58,57.17 32.05,57.17 33.68,58.81 33.68,58.82 35.26,60.4 36.87,60.4 39.47,63 41.35,63 42.45,64.1 U4.25
/GB domain/MA_{9}: length 48.6
  Top w0.2: U1.47 16.4,37.3 13.9,39.8 13.9,44.46 20.74,51.3 21.27,51.3 26.74,56.77 32.21,56.77 34.08,58.64 34.08,58.65 35.43,60 37.03,60 39.63,62.6 42.2,62.6 43.73,64.12 U4.24
/GB domain/MA_{10}: length 48.5
  Top w0.2: 47.54,65.25 47.54,63.3 45.63,61.4 40.13,61.4 37.53,58.8 35.92,58.8 35.28,58.16 35.28,58.14 32.71,55.57 27.28,55.57 21.8,50.1 21.23,50.1 15.1,43.97 15.1,41 16.4,39.7 U1.44
/GB domain/MA_{11}: length 48.4
  Top w0.2: U1.46 16.4,38.1 14.3,40.2 14.3,44.3 20.9,50.9 21.43,50.9 26.91,56.38 32.38,56.38 34.48,58.48 34.48,58.49 35.59,59.6 37.2,59.6 39.8,62.2 43.1,62.2 44.99,64.09 U4.23
/GB domain/MA_{12}: length 43.4
  Top w0.2: v1(41.46,58.3) 40.99,58.3 39.92,57.22 39.92,54.15 ; v1(21.7,48.99) 21.25,48.99 15.9,43.63 15.9,41.8 16.4,41.3 U1.42
  Bottom w0.2: v1(41.46,58.3) 40.06,58.3 38.36,60 35.37,60 32.14,56.77 26.9,56.77 24.23,54.1 24.23,51.72 21.7,49.2 v1(21.7,48.99)
/GB domain/MD_{0}: length 30.8
  Top w0.2: U4.11 51.35,52.44 49.5,50.6 37.77,50.6 34.77,47.6 27.6,47.6 26.2,46.2 U1.33
/GB domain/MD_{1}: length 30.5
  Top w0.2: U1.31 27.8,46.2 28.8,47.2 34.93,47.2 37.93,50.2 50.4,50.2 52.61,52.41 U4.12
/GB domain/MD_{2}: length 30.8
  Top w0.2: U1.30 28.6,45.85 29.55,46.8 35.1,46.8 38.1,49.8 51.3,49.8 53.89,52.38 U4.13
/GB domain/MD_{3}: length 42.6
  Top w0.2: 55.16,65.25 55.16,63.56 53.85,62.26 53.85,61.08 51.77,59 41.13,59 39.28,57.15 39.28,56.91 38.17,55.8 36.91,55.8 35.84,54.73 v1(35.4,54.73) ; v1(28.75,43.15) 28.95,43.15 29.4,43.6 U1.29
  Bottom w0.2: v1(35.4,54.73) 35.7,54.43 35.7,51.38 31.9,47.58 31.9,46.29 v1(28.75,43.15)
/GB domain/MD_{4}: length 41.4
  Top w0.2: U4.16 53.89,62.85 53.45,62.42 53.45,61.25 51.6,59.4 40.96,59.4 38.88,57.32 38.88,57.08 38,56.2 36.75,56.2 36.26,55.72 v1(35.8,55.72) ; v1(29.9,43.1) 30.2,43.4 U1.28
  Bottom w0.2: v1(29.9,43.1) 32.3,45.5 32.3,47.42 36.1,51.22 36.1,55.42 v1(35.8,55.72)
/GB domain/MD_{5}: length 40.8
  Top w0.2: v1(31,43.1) U1.27 ; U4.17 52.61,63.98 53.05,63.55 53.05,61.42 51.44,59.8 40.8,59.8 38.48,57.48 38.48,57.24 37.83,56.6 36.91,56.6 36.8,56.72 v1(36.19,56.72)
  Bottom w0.2: v1(31,43.1) 32.7,44.8 32.7,47.25 36.5,51.05 36.5,56.41 v1(36.19,56.72)
/GB domain/MD_{6}: length 42.2
  Top w0.2: 49.2,60.2 49.5,60.2 ; 49.2,60.2 40.63,60.2 38.08,57.65 38.08,57.41 37.67,57 37.08,57 v1(36.38,57.7) ; 49.2,60.2 49.7,60.2 ; 49.5,60.2 49.7,60.2 ; 49.5,60.2 49.7,60.2 ; U1.26 31.8,43.4 v1(32.1,43.1) ; 49.7,60.2 51.27,60.2 52.65,61.58 52.65,62.75 51.36,64.04 51.35,64.04 U4.18
  Bottom w0.2: v1(32.1,43.1) 33.1,44.1 33.1,47.08 36.9,50.88 36.9,57.18 v1(36.38,57.7)
